# Altium PCB PCB1.PcbDoc
Units mm, origin at the board's own origin, x right, y up, seen from the top; angles counter-clockwise.
Board outline 115.58 x 76.75 mm, 2 copper layers (Top Layer, Bottom Layer); 91 components, 45 nets, 215 pads, 15 vias.
Unrouted connection lines stored in the file: 102.
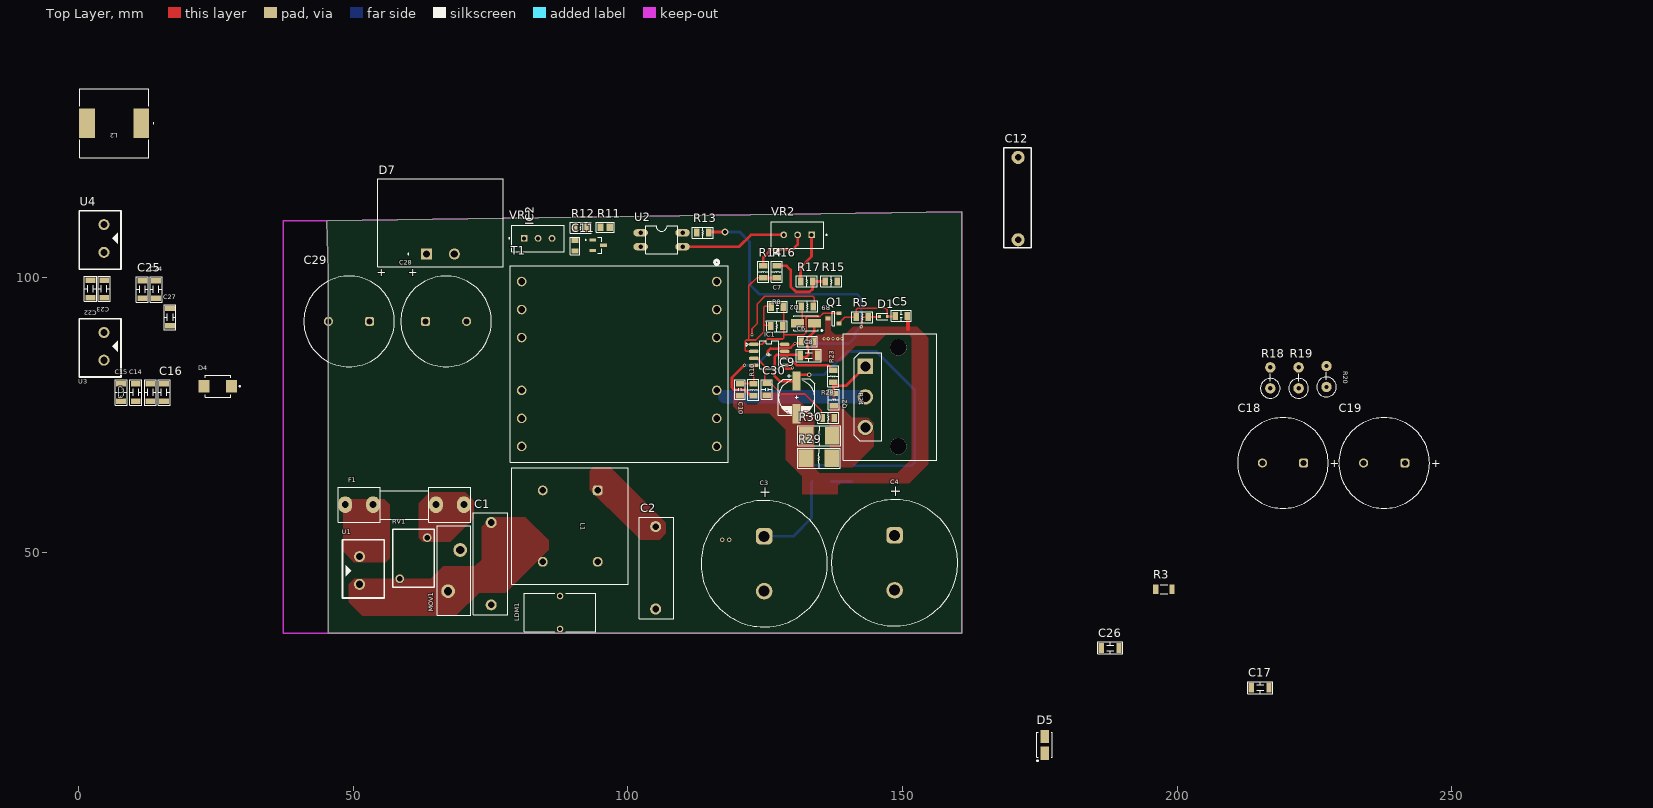
[diagram p0: Top Layer view]
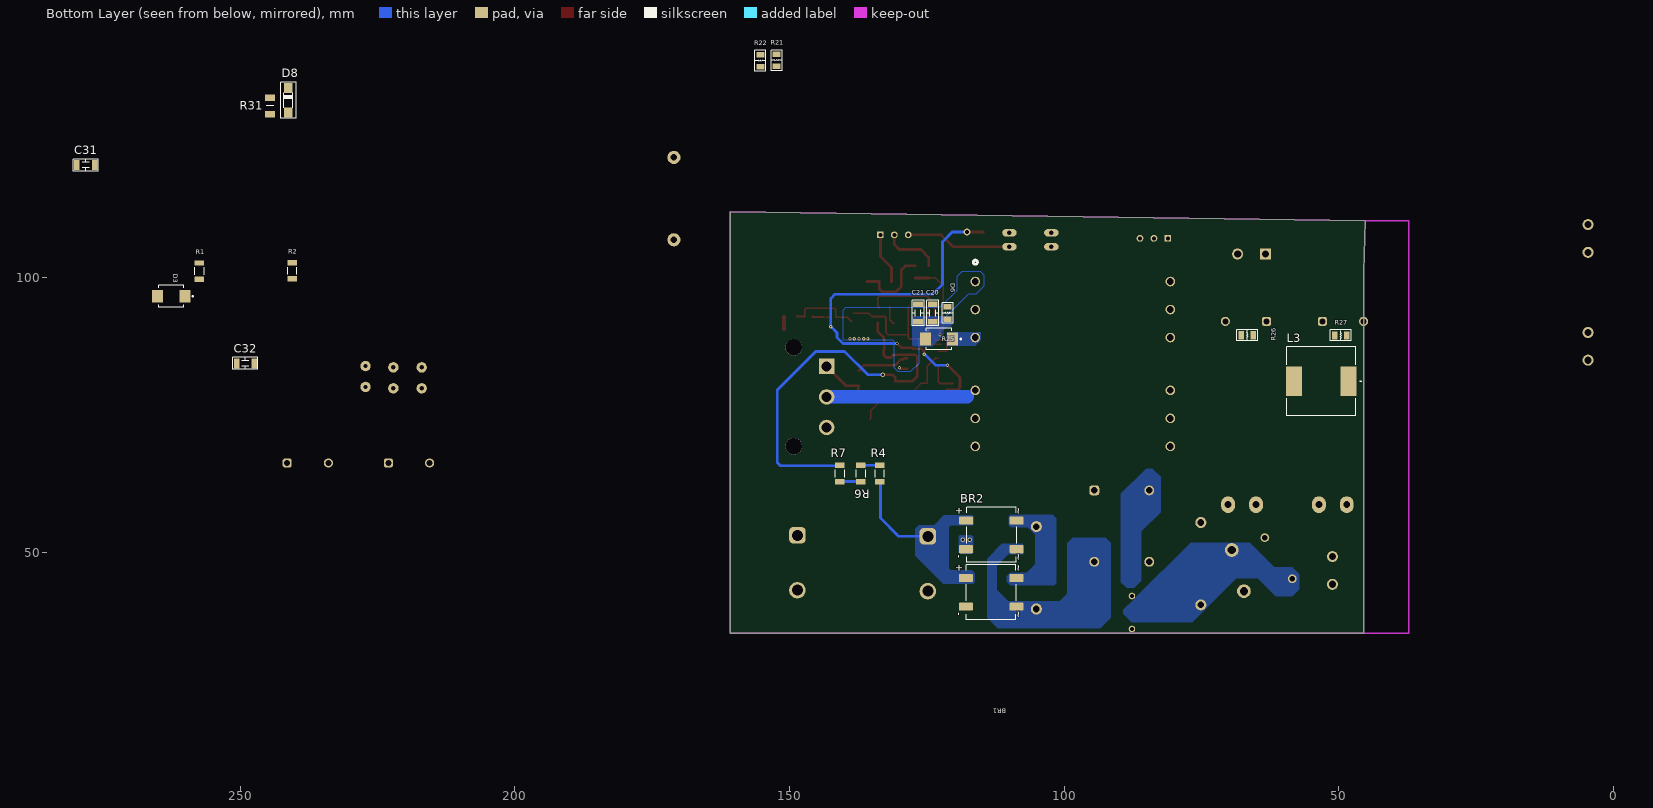
[diagram p1: Bottom Layer view, seen from below]

## Layer stack, top to bottom
Top Solder: solder mask 0.0102, Solder Resist, Dk 3.5
Top Layer: signal copper 0.0356
Dielectric 1: dielectric 0.32, FR-4, Dk 4.8
Bottom Layer: signal copper 0.0356
Bottom Solder: solder mask 0.0102, Solder Resist, Dk 3.5

## Board outline
45.466,35.306 160.782,35.306 160.782,112.059 45.198,110.398 45.466,101.092

## Design rules (kind name [scope] priority, off if disabled: settings)
Clearance [All] p1: gap=0.076 ignorepadtopadclearanceinfootprint=FALSE
ComponentClearance [All] p1: gap=0.254 collisioncheckmode=3 verticalgap=0 showdistances=FALSE
Height [All] p1: minheight=0 maxheight=50.8 prefheight=12.7
PolygonConnect PolygonConnect_4 [All vs IsNamedPolygon('NONET_L01_P-001')] p1: connectstyle=Direct reliefconductorwidth=0.254 reliefentries=4 polygonreliefangle="90 Angle" airgapwidth=0.254
PolygonConnect PolygonConnect_3 [All vs IsNamedPolygon('NONET_L01_P-001')] p2: connectstyle=Direct reliefconductorwidth=0.254 reliefentries=4 polygonreliefangle="90 Angle" airgapwidth=0.254
PolygonConnect PolygonConnect_2 [All vs IsNamedPolygon('NONET_L01_P-001')] p3: connectstyle=Direct reliefconductorwidth=0.254 reliefentries=4 polygonreliefangle="90 Angle" airgapwidth=0.254
PolygonConnect PolygonConnect_1 [All vs IsNamedPolygon('NONET_L01_P-001')] p4: connectstyle=Direct reliefconductorwidth=0.254 reliefentries=4 polygonreliefangle="90 Angle" airgapwidth=0.254
PolygonConnect [All] p5: connectstyle=Relief reliefconductorwidth=0.254 reliefentries=4 polygonreliefangle="90 Angle" airgapwidth=0.254
RoutingVias [All] p1: holewidth=0.711 width=1.27 viastyle="Through Hole" minholewidth=0.711 minwidth=1.27 maxholewidth=0.711 maxwidth=1.27
SolderMaskExpansion [All] p1: expansion=0.102 istentingtop=FALSE
Width [All] p1: maxlimit=2.54 minlimit=0.254 preferedwidth=0.254 minimp=50.000000 maximp=50.000000 favimp=50.000000
28 further rules are at their usual default settings.

## Classes and differential pairs
net class RTCT_NET: RT/CT

## Components (designator, comment, footprint, x,y, rotation, side; value= is the part's Value field where it differs from the comment)
BR1 "DBLS208GH" "DB SMD" 113.312,42.759 r90 bottom
BR2 "DBLS208GH" "DB SMD" 113.284,53.213 r90 bottom
C1 "R474I2470CKA2M" R474I2470CKA2M 75.149,40.461 r90 top
C2 "R474I2470CKA2M" R474I2470CKA2M 105.088,54.711 r270 top
C3 "82uF" WCAP-AI3H_D22H30 124.841,47.959 r90 top
C4 "82uF" WCAP-AI3H_D22H30 148.59,48.133 r90 top
C5 "GRM219R7YA105KA12D" "CAP 0805" 149.817,93.091 r0 top value="0805 1uF 35V"
C6 "CL21B104KBCNNNC" "CAP 0805" 132.715,88.392 r180 top value="0805 0.1uF 50V"
C7 "GRM2195C1H103JA01D" "CAP 0805" 127.254,94.742 r180 top value="0805 10nF"
C8 "C3216X7R1H475M160AC" "Cap 1206" 132.969,85.863 r0 top value="1206 4.7uF 50V"
C9 "EEE-FK1H470XL" C-50-47uf_alu 130.749,77.959 r0 top value="50V 47uF_6.3pi/smd"
C10 "GCM216R71H102KA37D" "CAP 0805" 120.455,79.661 r270 top value="0805 10nF"
C11 "10nF 0805" CAP_0805 90.424,105.791 r270 top value="8.2 uF, 50 VDC"
C12 "CBB22-334" "Cap 1600v" 171.068,106.92 r90 top
C13 "C3216X7R1H475M160AC" "Cap 1206" 13.092,79.145 r90 top value="1206 10uF 50V"
C14 "C3216X7R1H475M160AC" "CAP 1206" 10.438,79.145 r270 top value="1206 10uF 50V"
C15 "C3216X7R1H475M160AC" "CAP 1206" 7.784,79.145 r270 top value="1206 10uF 50V"
C16 "C3216X7R1H475M160AC" "Cap 1206" 15.62,79.145 r270 top value="1206 10uF 50V"
C17 "C3216X7R1H475M160AC" "Cap 1206" 215.138,25.4 r0 top value="1206 10uF 50V"
C18 "2700uF" WCAP-ATG8_D16H25 219.281,66.294 r0 top
C19 "2700uF" WCAP-ATG8_D16H25 237.71,66.294 r0 top
C20 "C3216X7R1H475M160AC" "Cap 1206" 123.952,93.599 r90 bottom value="1206 4.7uF 50V"
C21 "C3216X7R1H475M160AC" "Cap 1206" 126.619,93.599 r90 bottom value="1206 4.7uF 50V"
C22 "C3216X7R1H475M160AC" "CAP 1206" 2.205,97.995 r270 top value="1206 10uF 50V"
C23 "C3216X7R1H475M160AC" "CAP 1206" 4.705,97.995 r270 top value="1206 10uF 50V"
C24 "C3216X7R1H475M160AC" "Cap 1206" 14.15,97.895 r270 top value="1206 10uF 50V"
C25 "C3216X7R1H475M160AC" "Cap 1206" 11.65,97.895 r270 top value="1206 10uF 50V"
C26 "C3216X7R1H475M160AC" "Cap 1206" 187.833,32.639 r0 top value="1206 10uF 50V"
C27 "C3216X7R1H475M160AC" "CAP 1206" 16.65,92.841 r270 top value="1206 10uF 50V"
C28 "2700uF" WCAP-ATG8_D16H25 66.929,92.075 r180 top
C29 "2700uF" WCAP-ATG8_D16H25 49.276,92.075 r0 top
C30 "C0805C101J5RACTU" "CAP 0805" 125.314,79.683 r270 top
C31 "CC1206KKX7RCBB222" "Cap 1206" 278.13,120.523 r180 bottom value="1206 2.2nF 1kV"
C32 "CC1206KKX7RCBB222" "Cap 1206" 249.085,84.426 r180 bottom value="1206 2.2nF 1kV"
D1 "PMEG3010EB,115" "SOD 523" 146.545,92.971 r90 top
D2 "1 A , 1.3V" "SMA (DO-214AC)"#1 132.461,91.738 r180 top
D3 "S3MB-13-F" "DIODE 1KV 3A" 262.596,96.647 r0 bottom value=40pF
D4 "S3MB-13-F" "DIODE 1KV 3A" 25.415,80.264 r180 top value=40pF
D5 "SMAJ5.0A" "SMA (DO-214AC)"#1 175.895,14.987 r90 top
D6 "S3MB-13-F" "DIODE 1KV 3A" 122.809,88.875 r0 bottom value=40pF
D7 "STPSC10H065D" TO508P1016X470X2286-2 65.913,104.333 r0 top
D8 "SMBJ24CA-E3/52" "SMA (DO-214AC)"#2 241.248,132.331 r270 bottom
F1 "FUSE" FUSE 59.378,58.711 r0 top
IC1 "UC3843AD8TR" UC3843_SOIC8 125.749,85.985 r0 top
IC2 "KA431AZBU" SOT23-3 94.615,105.918 r0 top
L1 "10mH" WE-FC_ET20H 89.535,54.81 r270 top
L2 "22uH 6.7A" IND_CDRH127/LDNP-470MC_SUM 6.502,128.143 r180 top
L3 "22uH 6.7A" IND_CDRH127/LDNP-470MC_SUM 53.213,81.153 r0 bottom
LDM1 "SN5-300" SN5300 87.685,36.08 r0 top
MOV1 "MOV-14D751K" B72214S2271K101 68.408,46.711 r270 top
Q1 "MMBT2907A" "SOT 23 3" 137.442,92.611 r90 top
Q2 "SIHG11N80AE-GE3" "N-CH MOSFET 1K2V" 143.256,78.331 r270 top
R1 "330K 1206" RESC3116X65N 257.429,101.219 r90 bottom
R2 "330k 1206" RESC3116X65N 240.538,101.287 r90 bottom
R3 "330k 1206" RESC3116X65N 197.612,43.307 r0 top
R4 "330K 1206" RESC3116X65N 133.604,64.389 r270 bottom
R5 "RC0805FR-0733KL" "RES 0805" 142.687,92.749 r180 top value="0805 33k"
R6 "330K 1206" RESC3116X65N 137.033,64.389 r90 bottom
R7 "330K 1206" RESC3116X65N 140.843,64.389 r90 bottom
R8 "RC0805FR-1310KL" "RES 0805" 127.127,91.313 r0 top value="0805 10k"
R9 "RC0805FR-0722RP" "RES 0805" 132.69,94.696 r180 top value="0805 22R"
R10 "RC0805FR-1312KL" "RES 0805" 122.985,79.662 r270 top value="0805 2.7k"
R11 "2K Ohm 0805" RESISTOR_0805 95.885,109.22 r180 top value="4.53 KOhm, 1/8W"
R12 "RK73B2ATTD104J" "Res 0805" 91.44,109.22 r0 top value="0805 10k"
R13 "RK73B2ATTD104J" "Res 0805" 113.655,108.331 r0 top value="0805 10k"
R14 "RC0805FR-1310KL" "RES 0805" 124.587,101.092 r90 top value="0805 0k"
R15 "RC0805FR-1310KL" "RES 0805" 137.033,99.441 r0 top value="0805 33k"
R16 "RC0805FR-1310KL" "RES 0805" 127.041,101.092 r90 top value="0805 0k"
R17 "RC0805FR-1310KL" "RES 0805" 132.588,99.441 r0 top value="0805 12k"
R18 "Res" RES-1WD 216.98,81.534 r90 top
R19 "Res" RES-1WD 222.123,81.534 r90 top
R20 "Res" RES-1WD 227.203,81.788 r90 top
R21 "RC0805FR-1310KL" "RES 0805" 152.273,139.573 r270 bottom value="0805 10k"
R22 "RC0805FR-1310KL" "RES 0805" 155.221,139.489 r270 bottom value="0805 10k"
R23 "RC0805FR-0722RP" "RES 0805" 137.499,82.1 r270 top value="0805 22R"
R24 "RC0805FR-1310KL" "RES 0805" 137.399,77.846 r90 top value="0805 10k"
R25 "RC0805FR-1310KL" "RES 0805" 121.158,93.599 r270 bottom value="0805 10k"
R26 "RC0805FR-1310KL" "RES 0805" 66.675,89.662 r180 bottom value="0805 10k"
R27 "RC0805FR-1310KL" "RES 0805" 49.657,89.408 r0 bottom value="0805 10k"
R28 "RC0805FR-07470RP" "RES 0805" 136.499,74.592 r0 top value="0805 470R"
R29 "RES_2512_2.2R" "RES 2512" 134.81,67.183 r0 top value="2512 4.7R"
R30 "RES_2512_2.2R" "RES 2512" 134.874,71.237 r0 top value="2512 4.7R"
R31 "RES_1206_0R" "RES 1206" 244.594,131.306 r270 bottom value="1206 0R"
RV1 "NTC20D-9" NTC20D9 60.99,48.961 r270 top
T1 "PQ35" CPV-PQ3535-1S-12P-Z_FXC 116.205,99.325 r270 top
U1 "KF301_2P" KF301_2P 51.185,46.711 r270 top
U2 "PC817" PC817 105.787,106.426 r270 top
U3 "KF301_2P" KF301_2P 4.658,87.549 r90 top
U4 "KF301_2P" KF301_2P 4.658,107.185 r90 top
VR1 "3296W-1-250" TRIM_3296W-1-250 83.682,107.188 r0 top
VR2 "3296W-1-250" TRIM_3296W-1-250 130.937,107.823 r180 top

## Footprints (in the part's own frame and the unit in brackets; to place one, negate y for a bottom-side part, rotate by r counter-clockwise, add the part's x,y. Pads: shape width x height; smd on the part's side, far side on the other; paste and mask are expansions set on the pad)
B72214S2271K101 [mm] "430 V 6 kA Varistor 1 Circuit Through Hole Disc 14mm"
  round 2.5 hole 1.5: 1(-3.75,1.1) 2(3.75,-1.1)
  silkscreen extent -8.13,-3.05 8.13,3.05, body extent -7.75,-2.1 7.75,2.1, height 18.5
C-50-47uf_alu [mm]
  rect 1.5x3.5 smd: 1(0,3.284) 2(0,-2.716)
  silkscreen extent -3.3,-3.02 3.31,4.48, body extent -3.4,-3.69 3.4,4.26, height 7.7
"CAP 0805" [mm] "0805 (2012)"
  rect 1x1.47 smd: 1(-1.1,0) 2(1.1,0)
  silkscreen extent -1.8,-0.98 1.8,0.98, body extent -1,-0.69 1,0.76, height 1.28
"Cap 1206" [mm]
  rect 1x1.8 smd: 1(-1.6,0) 2(1.6,0)
  silkscreen extent -2.3,-1.1 2.3,1.1, body extent -1.7,-0.85 1.7,0.9, height 1.8
"CAP 1206" [mm]
  rect 1x1.8 smd: 1(-1.6,0) 2(1.6,0)
  silkscreen extent -2.3,-1.1 2.3,1.1, body extent -1.7,-0.85 1.7,0.9, height 1.8
"Cap 1600v" [mm]
  round 2.4 hole 1.2: 1(0,0) 2(15,-0.001)
  silkscreen extent -1.42,-2.41 16.76,2.59, body extent 0.97,-2.56 13.97,2.44, height 11.5
CAP_0805 [mm]
  rect 0.9x1.3 smd: 1(-0.975,-0.025) 2(0.925,-0.025)
  silkscreen extent -1.63,-0.86 1.57,0.81, body extent -1.03,-0.65 0.97,0.6, height 0.6
CPV-PQ3535-1S-12P-Z_FXC [mil]
  round 69 / inner round 60 / far side round 69 hole 49 paste-99999 mask+0: 1(0,0) 2(200.79,0) 3(401.57,0) 4(779.53,0) 5(980.32,0) 6(1181.1,0) 7(0,-1397.64) 8(200.79,-1397.64) 9(401.58,-1397.64) 10(779.53,-1397.64) 11(980.32,-1397.64) 12(1181.1,-1397.64)
  silkscreen extent -153,-1479 1295,82, body extent -130,-1470 1310,65, height 1370
"DB SMD" [mm]
  rrect20% 1.5x2.5 smd: +(2.6,4.6) -(-2.6,4.6) ~1(-2.6,-4.6) ~2(2.6,-4.6)
  silkscreen extent -5,-4.5 5,4.5, body extent -4.16,-5.02 4.16,5.02, height 2.93
"DIODE 1KV 3A" [mm]
  rect 2x2.3 smd paste+0: A(-2.5,0) K(2.5,0)
  silkscreen extent -4.07,-1.97 2.28,1.97, body extent -2.66,-1.81 2.64,1.81, height 2.5
FUSE [mil] "De Fuse"
  oval 100x120 hole 50: 1(-425,0) 1(-225,0) 2(225,0) 2(425,0)
  silkscreen extent -475,-125 475,125, body extent -448,-117 459,127, height 378
IND_CDRH127/LDNP-470MC_SUM [mil]
  rect 114x213 smd: 1(-195,0) 2(195,0)
  silkscreen extent -285,-247 247,247, body extent -236,-236 236,236, height 315
KF301_2P [mm] "Header Power 2 pins Type: KF301, 2 pins, 200mil (5.08mm) pitch"
  round 2 hole 1.3 mask+0.1: 1(-2.54,0) 2(2.5,0)
  silkscreen extent -5.6,-3.1 5,4.5, body extent -5.6,-3 5,4.6, height 10
"N-CH MOSFET 1K2V" [mm]
  round 3 hole 3 unplated: 4(-9,6) 4(9,6)
  round 2.8 hole 1.8: D(0,0) S(5.56,0)
  rect 2.8x2.8 hole 1.8: G(-5.56,0)
  silkscreen extent -11.5,-4 11.5,13, body extent -11.5,-4 11.5,13, height 25
NTC20D9 [mm]
  round 1.6 hole 1 paste-2539.97 mask+0.1: 1(-3.75,2.5) 2(3.75,-2.5)
  silkscreen extent -5.25,-3.75 5.25,3.75
PC817 [mil]
  oval 52x104 hole 32: 1(-70,-135) 2(30,-135) 3(30,165) 4(-70,165)
  silkscreen extent -120,-100 80,130, body extent -106,-135 76,175, height 179
R474I2470CKA2M [mm]
  round 2 hole 1.2: 1(0,0) 2(15,0)
  silkscreen extent -1.75,-3 16.75,3.25, body extent -1.65,-3 16.65,3.21, height 17.6
"RES 0805" [mm] "Resistor 2.0 x 1.2 mm (LxW typ)"
  rect 1x1.5 smd: 1(-1.1,-0.1) 2(1.1,-0.1)
  silkscreen extent -1.9,-1.1 1.9,0.9, body extent -1,-0.7 1,0.55, height 0.6
"Res 0805" [mm] "Resistor 2.0 x 1.2 mm (LxW typ)"
  rect 1x1.5 smd: 1(-1.1,-0.1) 2(1.1,-0.1)
  silkscreen extent -1.9,-1.1 1.9,0.9, body extent -1,-0.7 1,0.55, height 0.6
"RES 1206" [mm]
  rect 1.2x1.8 smd: 1(-1.5,0) 2(1.5,0)
  silkscreen extent 0,-0.7 0,0.7, body extent -1.6,-0.8 1.6,0.8, height 0.75
"RES 2512" [mm]
  rect 2.65x3.2 smd: 1(-2.35,0) 2(2.35,0)
  silkscreen extent -3.9,-1.8 3.9,1.8, body extent -3.17,-1.5 3.17,1.5, height 0.8
RES-1WD [mm]
  round 1.905 hole 0.8: 1(-1.651,0) 2(2.159,0)
  silkscreen extent -3.45,-1.8 1.02,1.8, body extent -3.43,-1.7 2.67,1.7, height 12.65
RESC3116X65N [mm]
  rect 0.97x1.73 smd: 1(-1.48,0) 2(1.48,0)
  silkscreen extent -0.67,-0.85 0.67,0.85, body extent -1.55,-0.8 1.55,0.8, height 0.65
RESISTOR_0805 [mm] "Chip Resistor, 2-Leads, Body 2,00x1,20mm, IPC Medium Density"
  rect 1.1x1.3 smd: 1(-0.85,0) 2(0.85,0)
  silkscreen extent -1.65,-0.9 1.65,0.9, body extent -1,-0.65 1,0.65, height 0.45
"SMA (DO-214AC)"#1 [mm] "Molded Diode, 2-Leads, Body 4.25x2.67mm, IPC Medium Density"
  rect 2.4x1.55 smd: 1(-1.525,0) 2(1.525,0)
  silkscreen extent -3.03,-1.4 2.25,1.45, body extent -2.47,-1.4 2.47,1.4, height 2.29
"SMA (DO-214AC)"#2 [mm]
  rect 1.8x1.5 smd: A(2.2,0) K(-2.2,0)
  silkscreen extent -3.3,-1.4 3.3,1.4, body extent -2.6,-1.36 2.6,1.36, height 2.7
SN5300 [mm]
  round 1.2 hole 0.75: 1(0,0) 2(0,6)
  silkscreen extent -6.5,-0.5 6.5,6.5, body extent -6.5,-0.5 6.5,6.5, height 11.5
"SOD 523" [mm]
  rect 0.6x0.5 smd: A(0,-0.7) K(0,0.7)
  silkscreen extent -0.6,-0.75 0.6,1.25, body extent -0.4,-0.8 0.4,0.8, height 0.65
SOT23-3 [mm]
  rect 1.26x0.59 smd: 1(-0.98,-0.95) 2(-0.98,0.95) 3(0.98,0)
  silkscreen extent -2.35,-1.45 0.65,1.45, body extent -1.15,-1.45 1.15,1.45, height 1.1
"SOT 23 3" [mm]
  rrect10% 0.7x0.95 smd: B(-0.95,-1) C(0,1) E(0.95,-1)
  silkscreen extent -1.35,-0.25 1.35,0.25, body extent -1.45,-1.2 1.45,1.2, height 1.11
TO508P1016X470X2286-2 [mm]
  rect 2.01x2.01 / inner round 2.01 / far side rect 2.01x2.01 hole 1.34: 1(-2.54,0)
  round 2.01 hole 1.34: 2(2.54,0)
  silkscreen extent -11.43,-2.29 11.43,13.72, body extent -7.38,-2.11 7.62,8.89, height 20
TRIM_3296W-1-250 [mm]
  rect 1.218x1.218 / inner round 1.218 / far side rect 1.218x1.218 hole 0.71: 1(-2.54,0)
  round 1.218 hole 0.71: 2(0,0) 3(2.54,0)
  silkscreen extent -5.35,-2.41 4.76,2.42, body extent -4.76,-2.41 4.76,2.42, height 11.55
UC3843_SOIC8 [mil] "SOIC8"
  oval 70x25 smd: 1(-109.96,75.16) 2(-109.96,25.16) 3(-109.96,-24.84) 4(-109.96,-74.84) 5(110.51,-74.84) 6(110.51,-24.84) 7(110.51,25.16) 8(110.51,75.16)
  silkscreen extent -165,-100 67,100, body extent -117,-96 119,96, height 69
WCAP-AI3H_D22H30 [mm] "Aluminium Electrolytic Snap-In Capacitors, 22x30mm"
  rrect50% 3x3 hole 2: 1(5,0)
  round 3 hole 2: 2(-5,0)
  silkscreen extent -11.5,-11.5 11.5,11.5, body extent -10.96,-11 11,11, height 31.09
WCAP-ATG8_D16H25 [mm] "Aluminum Electrolytic Capacitors, 16x25mm"
  rrect50% 1.65x1.65 hole 1.1: 1(3.75,0)
  round 1.65 hole 1.1: 2(-3.75,0)
  silkscreen extent -8.25,-8.25 8.25,8.25, body extent -7.99,-8 8,8, height 25.31
WE-FC_ET20H [mm] "Common Mode Power Line Choke, 4-Leads, body 21.2x21.2mm"
  rrect50% 1.8x1.8 hole 1.2: 1(-6.5,5)
  round 1.8 hole 1.2: 2(6.5,5) 3(6.5,-5) 4(-6.5,-5)
  silkscreen extent -10.6,-10.6 10.6,10.6, body extent -10.45,-10.45 10.45,10.45, height 17.54

## Part data
BR1 BR2: library part "BRIDGE RECT 1.2KV 2A", "Bridge Rectifier Single Phase Standard 1.2 kV Surface Mount DBLS", Manufacturer=FairchildSemiconductor, Operating Temperature=-55to150°C, Package=4SDIPSMD, Package Description="4-Pin Surface Mount Device, Body 8.28 x 6.35 mm, Pitch 5.1 mm", Package Reference="SDIP 4L", Peak Average Forward Current=1.5@Ta=40CA, Peak Forward Voltage=1.1@1AV, Peak Reverse Current=5uA, Peak Reverse Repetitive Voltage=1000V, Supplier Part Number 1=1801-DBLS158GCT-ND, Bridge Type=SinglePhase, Category=BridgeRectifier, Configuration=Single, Datasheet URL=http://www.farnell.com/datasheets/1941063.pdf, Datasheet Version="Rev. 1.5, 05/2015", Manufacturer URL=https://www.fairchildsemi.com/, Mounting=SurfaceMount, Mounting Technology=SurfaceMount, Packaging=Tape&Reel, Supplier 1=Digikey
C1 C2: "0.047 µF Film Capacitor 440V 1000V (1kV) Polypropylene (PP), Metallized Radial", Capacitance=47nF, Case/Package=Radial, Dielectric Material=PP, Manufacturer 1=KEMET, Max Operating Temperature=110°C, Min Operating Temperature=-40°C, Ratings=AEC-Q200,X1, Supplier Part Number 1=399-17231-1-ND, Tolerance=20%, Voltage Rating (AC)=440V, Voltage Rating (DC)=1kV, Category 1="Film Capacitors", ComponentLink1Description=https://datasheet.ciiva.com/46436/1848873-46436253.pdf?src-supplier=Element14, ComponentLink1URL=https://datasheet.ciiva.com/46436/1848873-46436253.pdf?src-supplier=Element14, Description 1="Cap Film 0.047UF 20% 1KVDC Rad", Manufacturer Part Number 1=R474I2470CKA2M, Mount="Through Hole", Packaging="Cut Tape", Parameter 1="0.047uF 440Vac", Pricing 1="1=0,69, 10=0,482, 50=0,4056, 100=0,3302, 500=0,27518 (USD)", RoHS 1=Yes, RoHS Compliant=Yes, Series=R47, Stock 1=4929, Supplier 1=Digikey, Termination="PC Pins"
C3 C4: library part 861141483002, "WCAP-AI3H Aluminum Electrolytic Capacitor, Snap-In, D22xH30mm, 82uF, 450V", Capacitance Tolerance=+/-20%, Leakage Current=576.28uA, Manufacturer="Wurth Elektronik", Operating Temperature Max=105°C, Operating Temperature Min=-25°C, Rated Voltage (DC)=450V, Ripple Current=640mA, Capacitance=82uF, Category="Aluminum Electrolytic Capacitors", ComponentLink1Description="Manufacturer Link", ComponentLink1URL=https://www.we-online.com/redexpert/article/861141483002?ad, ComponentLink2Description=Datasheet, ComponentLink2URL=https://www.we-online.com/redexpert/spec/861141483002?ad, Diameter=22mm, Dissipation Factor=20%, Endurance=3000h, Height=30mm, Manufacturer Part Number=861141483002, Match Code=WCAP-AI3H, Mount="Through Hole", Packaging=Tray, Technical Reference=ANJN300820M450DSIC3C000
C5: library part "Cap 0805 1uF", "1 µF ±10% 35V Ceramic Capacitor X7R 0805 (2012 Metric)", Supplier Part Number 1=490-10494-1-ND, Supplier 1=Digi-Key
C6: library part "Cap 0805 0.1uF", "0.1 µF ±10% 50V Ceramic Capacitor X7R 0805 (2012 Metric)", Manufacturer 1=Samsung, Supplier Part Number 1=1276-1003-1-ND, Category 1="Ceramic Capacitors", ComponentLink1Description=https://datasheet.ciiva.com/25710/cl21b104kbcnnnc-25710182.pdf?src-supplier=Digi-Key, ComponentLink1URL=https://datasheet.ciiva.com/25710/cl21b104kbcnnnc-25710182.pdf?src-supplier=Digi-Key, ComponentLink2Description=https://datasheet.ciiva.com/29199/454152-da-01-en-vs-kondensator-0805-29199814.pdf?src-supplier=Conrad, ComponentLink2URL=https://datasheet.ciiva.com/29199/454152-da-01-en-vs-kondensator-0805-29199814.pdf?src-supplier=Conrad, Description 1="Multilayer Ceramic Capacitor, 0.1 uF, 50 V, ± 10%, X7R, 0805 [2012 Metric]", Manufacturer Part Number 1=CL21B104KBCNNNC, Pricing 1="1=0,1, 10=0,044, 50=0,024, 100=0,0196, 500=0,01404, 1000=0,01103 (USD)", RoHS 1=Yes, Stock 1=559254, Supplier 1=Digi-Key
C7: library part "Cap 0805 10nF", "10000 pF ±5% 50V Ceramic Capacitor C0G, NP0 0805 (2012 Metric)", Manufacturer 1=Murata, Manufacturer Part Number 1=GRM21BR61H106KE43L, Supplier Part Number 1=490-1642-1-ND, Category 1="Ceramic Capacitors", ComponentLink1Description=https://datasheet.octopart.com/GRM21BR61H106KE43L-Murata-datasheet-155345082.pdf?src-supplier=Element14, ComponentLink1URL=https://datasheet.octopart.com/GRM21BR61H106KE43L-Murata-datasheet-155345082.pdf?src-supplier=Element14, ComponentLink2Description=https://search.murata.co.jp/Ceramy/image/img/A01X/G101/ENG/GRM21BR61H106KE43-01A.pdf?src-supplier=Digi-Key, ComponentLink2URL=https://search.murata.co.jp/Ceramy/image/img/A01X/G101/ENG/GRM21BR61H106KE43-01A.pdf?src-supplier=Digi-Key, ComponentLink3Description=https://datasheet.octopart.com/GRM21BR61H106KE43L-Murata-datasheet-165579666.pdf?src-supplier=TME, ComponentLink3URL=https://datasheet.octopart.com/GRM21BR61H106KE43L-Murata-datasheet-165579666.pdf?src-supplier=TME, Description 1="Capacitor Ceramic Multilayer", Pricing 1="1=0,3, 10=0,209, 50=0,139, 100=0,1182, 500=0,08342, 1000=0,073 (USD)", RoHS 1=Yes, Stock 1=19692, Supplier 1=Digikey
C8 C13 C14 C15 C16 C17 C20 C21 C22 C23 C24 C25 C26 C27: library part "Cap 1206 4.7uF", "4.7 µF ±20% 50V Ceramic Capacitor X7R 1206 (3216 Metric)", Capacitance=10uF, Case Code (Imperial)=1206, Case Code (Metric)=3216, Dielectric=X7R, Manufacturer 1=TDK, Manufacturer Part Number 1=CGA5L1X7R1V106M160AC, Max Operating Temperature=125°C, Min Operating Temperature=-55°C, Package Quantity=2000, Ratings=AEC-Q200, Supplier Part Number 1=445-8033-1-ND, Tolerance=20%, Voltage Rating=35V, Case/Package=1206, Category 1="Ceramic Capacitors", ComponentLink1Description=https://product.tdk.com/info/en/catalog/datasheets/mlcc_automotive_general_en.pdf?src-supplier=Digi-Key, ComponentLink1URL=https://product.tdk.com/info/en/catalog/datasheets/mlcc_automotive_general_en.pdf?src-supplier=Digi-Key, ComponentLink2Description=http://product.tdk.com/capacitor/mlcc/detailed_information.php?lang=en&ref=jp&part_no=CGA5L1X7R1V106M160AC&src-supplier=Mouser, ComponentLink2URL=http://product.tdk.com/capacitor/mlcc/detailed_information.php?lang=en&ref=jp&part_no=CGA5L1X7R1V106M160AC&src-supplier=Mouser, ComponentLink3Description=http://product.tdk.com/capacitor/mlcc/class/print_detail_pdf.php?lang=en&part_no=CGA5L1X7R1V106M160AC&src-supplier=Avnet, ComponentLink3URL=http://product.tdk.com/capacitor/mlcc/class/print_detail_pdf.php?lang=en&part_no=CGA5L1X7R1V106M160AC&src-supplier=Avnet, ComponentLink4Description=https://product.tdk.com/info/en/catalog/spec/mlccspec_automotive_general_midvoltage_en.pdf?src-supplier=Digi-Key, ComponentLink4URL=https://product.tdk.com/info/en/catalog/spec/mlccspec_automotive_general_midvoltage_en.pdf?src-supplier=Digi-Key, Description 1="Cap Ceramic 10uF 35V X7R 20% SMD 1206 125°C Blister Plastic T/R", Height=1.6mm, Length=0.126inch, Mount="Surface Mount", Packaging="Tape and Reel", Pricing 1="1=0,72, 10=0,53, 50=0,4242, 100=0,3636, 500=0,28784, 1000=0,2424 (USD)", RoHS 1=Yes, RoHS Compliant=Yes, Series=CGA, Stock 1=4126, Supplier 1=Digikey, Termination=SMD/SMT, Thickness=0.071inch, Voltage Rating (DC)=35V, Weight=0.000571oz, Width=1.6mm
C9: library part "Capacitor-50V 47u_6.3pi", "CAP ALUM 47UF 20% 50V SMD", Manufacturer=Panasonic, Package/Case="6.3mm (dia)", Supplier Part Number=10-EEE-FK1H470XLCTND, Supplier Part Number 1=10-EEE-FK1H470XLCT-ND, Supplier 1=Digi-Key
C10: library part "Cap 0805 1nF", "1000 pF 50 VDC 10% 0805 X7R", Manufacturer 1=Murata, Manufacturer Part Number 1=GRM21BR61H106KE43L, Supplier Part Number 1=490-6057-1-ND, Category 1="Ceramic Capacitors", ComponentLink1Description=https://datasheet.octopart.com/GRM21BR61H106KE43L-Murata-datasheet-155345082.pdf?src-supplier=Element14, ComponentLink1URL=https://datasheet.octopart.com/GRM21BR61H106KE43L-Murata-datasheet-155345082.pdf?src-supplier=Element14, ComponentLink2Description=https://search.murata.co.jp/Ceramy/image/img/A01X/G101/ENG/GRM21BR61H106KE43-01A.pdf?src-supplier=Digi-Key, ComponentLink2URL=https://search.murata.co.jp/Ceramy/image/img/A01X/G101/ENG/GRM21BR61H106KE43-01A.pdf?src-supplier=Digi-Key, ComponentLink3Description=https://datasheet.octopart.com/GRM21BR61H106KE43L-Murata-datasheet-165579666.pdf?src-supplier=TME, ComponentLink3URL=https://datasheet.octopart.com/GRM21BR61H106KE43L-Murata-datasheet-165579666.pdf?src-supplier=TME, Description 1="Capacitor Ceramic Multilayer", Pricing 1="1=0,3, 10=0,209, 50=0,139, 100=0,1182, 500=0,08342, 1000=0,073 (USD)", RoHS 1=Yes, Stock 1=19692, Supplier 1=Digikey
C11: library part 0108058281050, "CAP, size 0805, 8.2 uF, 50 VDC", Capacitance="8.2 uF", Manufacture Name=TDK, Manufacture SN=CGA4C2C0G1H822J060AA, Operating Temperature="-55 to +125degC", Tolerance=+/-5%, Voltage Rating DC="50 VDC", ComponentLink2Description=Datasheet, ComponentLink2URL=https://product.tdk.com/system/files/dam/doc/product/capacitor/ceramic/mlcc/catalog/mlcc_automotive_general_en.pdf?ref_disty=mouser, Mounting Technology=SMT, Packaging="Tape and Reel", Size=0805, Supplier 1 Name=Mouser, Supplier 1 SN=810-CGA4C2C0G1H822J, Supplier 1 URL=https://www.mouser.vn/ProductDetail/TDK/CGA4C2C0G1H822J060AA?qs=FxQuwy19cyAK0jQ6P5l0pQ%3D%3D&utm_source=mouser-refine-download&utm_medium=file&utm_campaign=CGA4C2C0G1H822J060AA&utm_content=TDK, Supplier 2 Name=Digi-Key, Supplier 2 SN=445-6946-2-ND, Supplier 2 URL=https://www.digikey.com/en/products/detail/tdk-corporation/cga4c2c0g1h822j060aa/2672839, Supplier 3 Name=thegioiic, Supplier 3 SN=OEM, Supplier 3 URL=N/A
C12: "CBB 630V 472J (4.7NF) 15mm", Capacitant=47nF, Dielectric="Metallized Polypropylene", Max RMS voltage=630V, Supply link=https://chipn24.com/g54-tu-cbb-630v-472j-p10mm-472-4-7nf-id4742.html
C18 C19 C28 C29: library part 860010480022, "WCAP-ATG8 Aluminum Electrolytic Capacitor, Radial THT, D16xH25mm, 2700uF, 25V", Capacitance Tolerance=+/-20%, Leakage Current=675uA, Manufacturer="Wurth Elektronik", Operating Temperature Max=85°C, Operating Temperature Min=-40°C, Rated Voltage (DC)=25V, Ripple Current=1804mA, Capacitance=2700uF, Category="Aluminum Electrolytic Capacitors", ComponentLink1Description="Manufacturer Link", ComponentLink1URL=https://www.we-online.com/redexpert/article/860010480022?ad, ComponentLink2Description=Datasheet, ComponentLink2URL=https://www.we-online.com/redexpert/spec/860010480022?ad, Diameter=16mm, Dissipation Factor=14%, Endurance=2000h, Height=25mm, Manufacturer Part Number=860010480022, Match Code=WCAP-ATG8, Mount="Through Hole", Packaging="Ammo Pack", Technical Reference=ATBK250272M025DSPAEB000
C30: library part "CAP 0805 100pF", "CAP, CERM, 100 pF, 50 V, +/- 5%, X7R, 0805", Manufacturer 1=KEMET, Supplier Part Number 1=80-C0805C101J5R, Category 1="Ceramic Capacitors", ComponentLink1Description=http://components.arrow.com/part/dataview/42933017S9108484N7429?src-supplier=Arrow+Electronics, ComponentLink1URL=http://components.arrow.com/part/dataview/42933017S9108484N7429?src-supplier=Arrow+Electronics, ComponentLink2Description=https://datasheet.octopart.com/C0805C101J5RACTU-KEMET-datasheet-157246124.pdf?src-supplier=TME, ComponentLink2URL=https://datasheet.octopart.com/C0805C101J5RACTU-KEMET-datasheet-157246124.pdf?src-supplier=TME, Description 1="Cap Ceramic 100pF 50V X7R 5% SMD 0805 125C Paper T/R", Manufacturer Part Number 1=C0805C101J5RACTU, Parameter 1="0805 100pF 50V", Pricing 1="1=0,14, 10=0,059, 50=0,059, 100=0,034, 1000=0,027, 10000=0,022 (USD)", RoHS 1=Yes, Stock 1=27580, Supplier 1=Mouser
C31 C32: library part "Cap 1206 2.2nF", "2200 pF ±10% 1000V (1kV) Ceramic Capacitor X7R 1206 (3216 Metric)", Manufacturer 1=Yageo, Supplier Part Number 1=311-1511-1-ND, Voltage Rating (AC)=1kV, Category 1="Ceramic Capacitors", ComponentLink1Description=https://datasheet.ciiva.com/11787/0900766b80d8503a-11787843.pdf?src-supplier=Rs, ComponentLink1URL=https://datasheet.ciiva.com/11787/0900766b80d8503a-11787843.pdf?src-supplier=Rs, ComponentLink2Description=https://datasheet.ciiva.com/13264/upy-gp-np0-16v-to-50v-8-3714-13264204.pdf?src-supplier=Mouser, ComponentLink2URL=https://datasheet.ciiva.com/13264/upy-gp-np0-16v-to-50v-8-3714-13264204.pdf?src-supplier=Mouser, ComponentLink3Description=https://datasheet.ciiva.com/190/mlccorderingcode-190678.pdf?src-supplier=Digikey, ComponentLink3URL=https://datasheet.ciiva.com/190/mlccorderingcode-190678.pdf?src-supplier=Digikey, ComponentLink4Description=https://datasheet.ciiva.com/190/mlccorderingcode-190679.pdf?src-supplier=Digikey, ComponentLink4URL=https://datasheet.ciiva.com/190/mlccorderingcode-190679.pdf?src-supplier=Digikey, ComponentLink5Description=https://datasheet.ciiva.com/190/mlccorderingcode-190680.pdf?src-supplier=Digikey, ComponentLink5URL=https://datasheet.ciiva.com/190/mlccorderingcode-190680.pdf?src-supplier=Digikey, Description 1="Multilayer Ceramic Capacitor, 2200 pF, 1000 V, ± 10%, X7R, 1206 [3216 Metric]", Manufacturer Part Number 1=CC1206KKX7RCBB222, Material=4241ConductorMaterial, Pricing 1="1=0,18, 10=0,119, 50=0,0754, 100=0,0603, 500=0,04358, 1000=0,03856 (USD)", RoHS 1=Yes, Stock 1=424375, Supplier 1=Digikey